# Altium PCB RUMBA32.PcbDoc (part 2 of 3)
Units mm, origin at the board's own origin, x right, y up, seen from the top; angles counter-clockwise.
Board outline 135 x 75 mm, 4 copper layers (Component Side, Ground Plane, Power Plane, Solder Side), stack 0.844 mm thick; 268 components, 214 nets, 1103 pads, 236 vias.
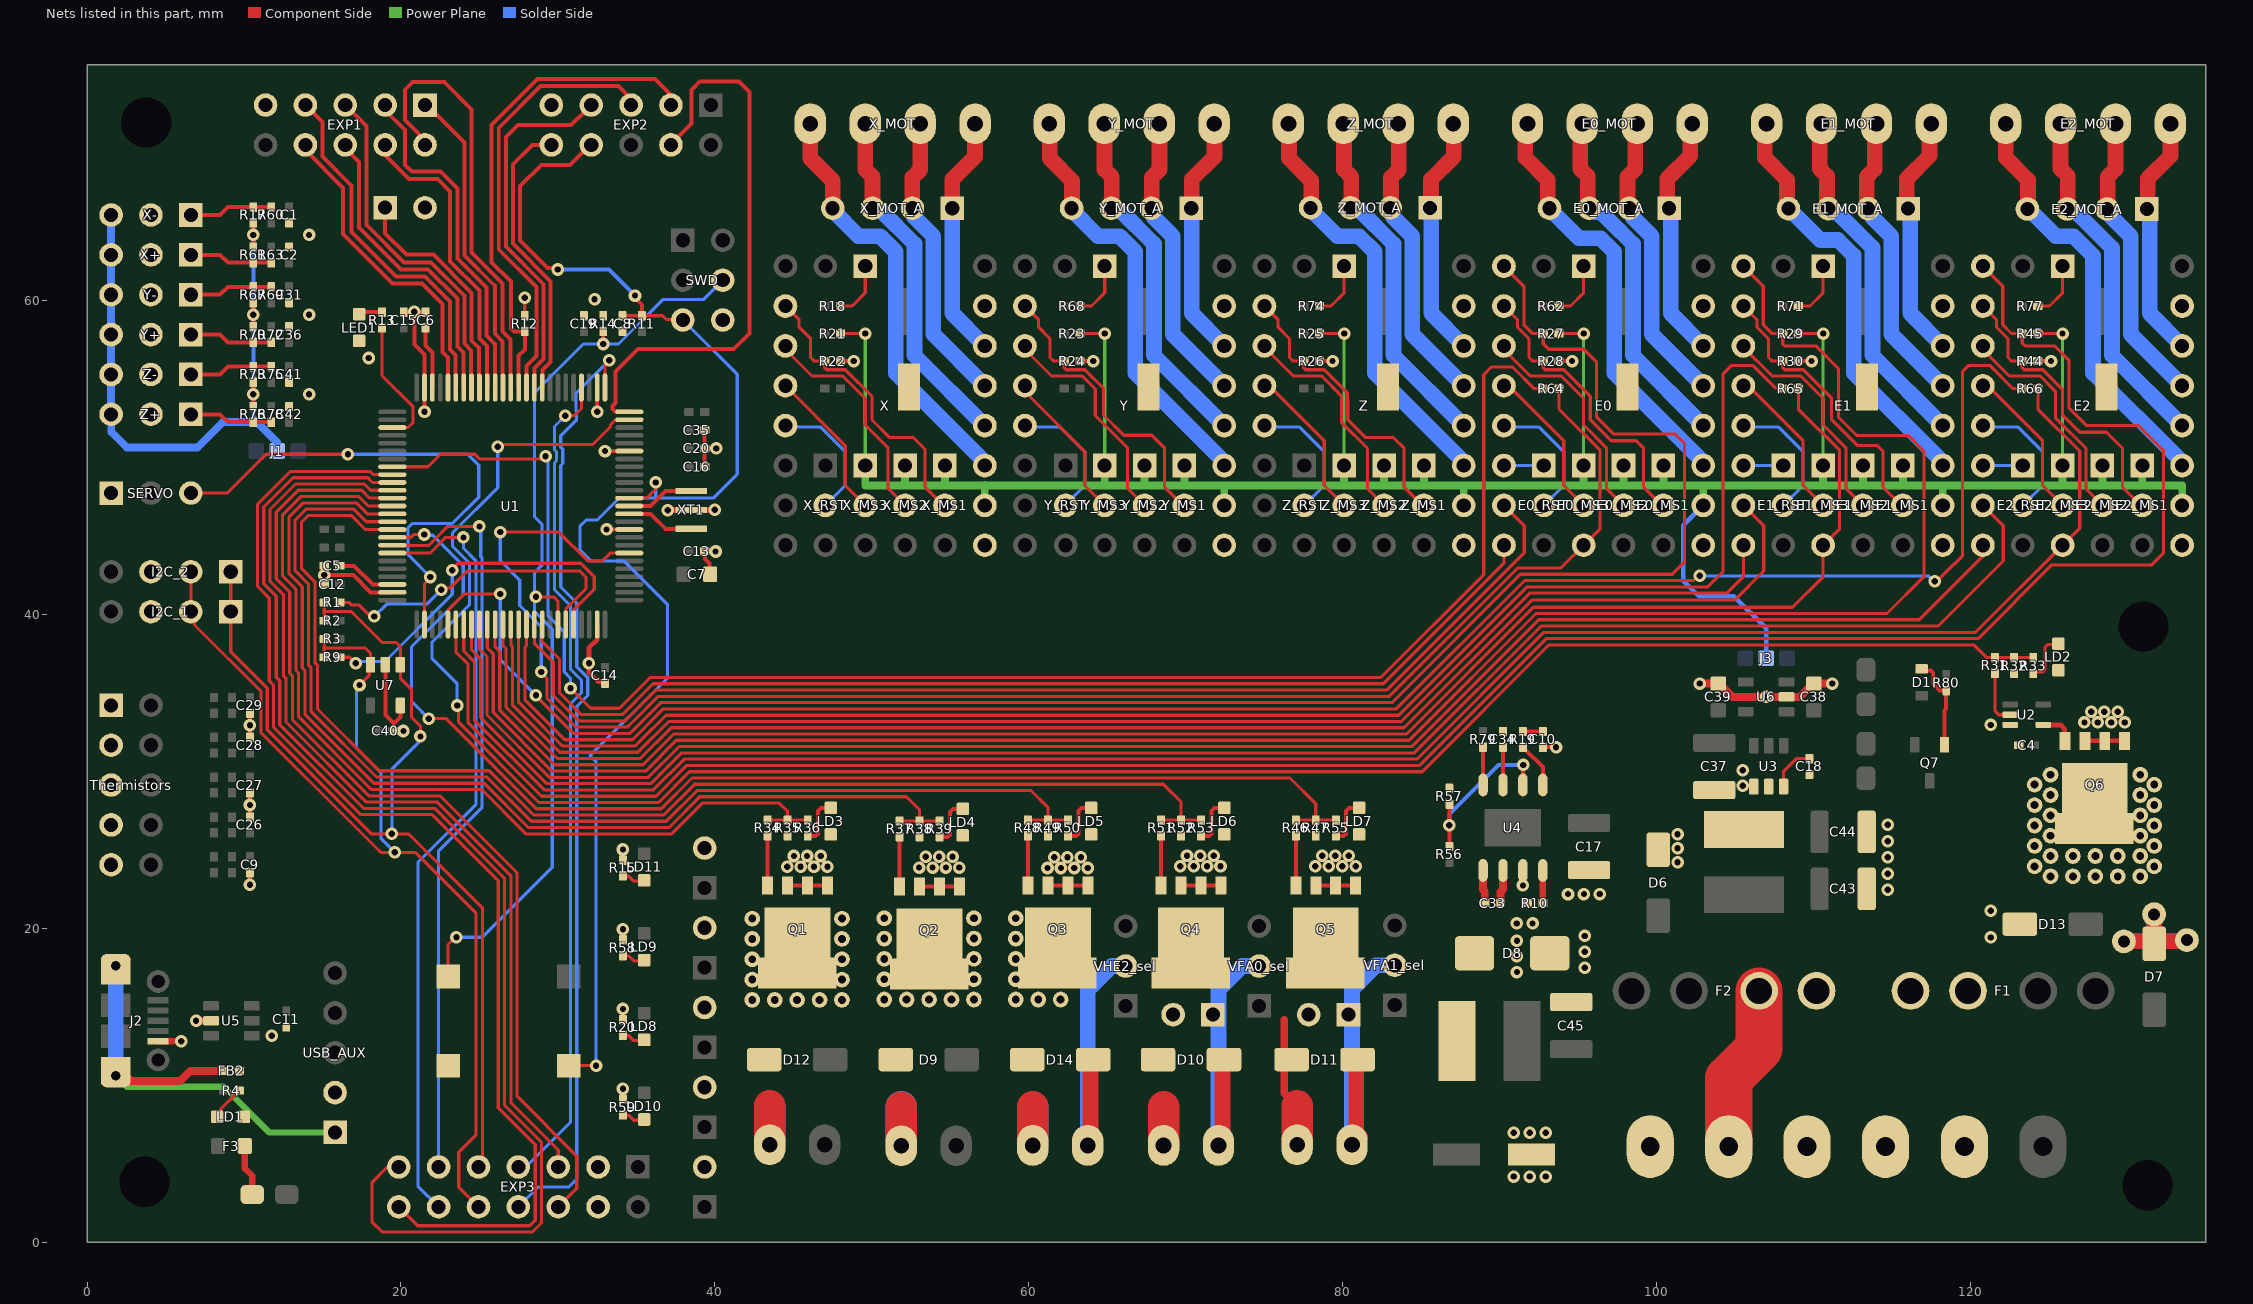
[diagram p4: the nets of this part, all layers, seen from the top]

## Via types
v1: diameter 0.8, hole 0.4, Component Side to Solder Side, tented both sides, 234 vias
v2: diameter 1.4, hole 0.75, Component Side to Solder Side, 2 vias

## Nets (pads, with @x,y where several pads share a name; then routed paths per layer and width w, separated by ;. In a path a pad name is that pad's centre, name@x,y a point inside that pad or via, vN(x,y) a via of type N, cw(c..) or ccw(c..) an arc to the next point about the centre after c; other vN are vias at no path point) (continued)
+DRV: E0.10 E0_MS1.1 E0_MS2.1 E0_MS3.1 E1.10 E1_MS1.1 E1_MS2.1 E1_MS3.1 E2.10 E2_MS1.1 E2_MS2.1 E2_MS3.1 J3.2 R21.1 R23.1 R25.1 R27.1 R29.1 R45.1 X.10 X_MS1.1 X_MS2.1 X_MS3.1 Y.10 Y_MS1.1 Y_MS2.1 Y_MS3.1 Z.10 Z_MS1.1 Z_MS2.1 Z_MS3.1 | length 192.1
  Component Side w0.2: R21.1@48.006,57.883 v1(49.579,57.883) ; R23.1@63.264,57.883 v1(64.838,57.883) ; R25.1@78.522,57.883 v1(80.096,57.883) ; R27.1@93.781,57.883 v1(95.354,57.883) ; R29.1@109.039,57.883 v1(110.613,57.883) ; R45.1@124.297,57.883 v1(125.871,57.883)
  Component Side w0.254: X_MS1.1@54.212,50.084 X_MS1.1@54.699,49.596 ; Y_MS1.1@69.47,50.084 Y_MS1.1@69.957,49.596 ; Z_MS1.1@84.728,50.084 Z_MS1.1@85.216,49.596 ; E0_MS1.1@99.987,50.084 E0_MS1.1@100.474,49.596 ; E1_MS1.1@115.245,50.084 E1_MS1.1@115.732,49.596 ; E2_MS1.1@130.503,50.084 E2_MS1.1@130.991,49.596
  Power Plane w0.2: X_MS3.1@49.579,49.476 v1(49.579,57.883) ; Y_MS3.1@64.837,49.476 v1(64.838,57.883) ; Z_MS3.1@80.096,49.476 v1(80.096,57.883) ; E0_MS3.1@95.354,49.476 v1(95.354,57.883) ; E1_MS3.1@110.612,49.476 v1(110.613,57.883) ; E2_MS3.1@125.871,49.476 v1(125.871,57.883)
  Power Plane w0.5: 49.579,48.206 57.199,48.206 ; 49.579,48.211 X_MS3.1@49.579,49.476 ; 52.119,48.211 X_MS2.1@52.119,49.476 ; 54.659,48.211 X_MS1.1@54.659,49.476 ; X.10@57.199,46.963 57.199,48.206 ; 57.199,48.228 57.199,48.206 ; 64.837,48.211 Y_MS3.1@64.837,49.476 ; 67.377,48.211 Y_MS2.1@67.377,49.476 ; 69.917,48.211 Y_MS1.1@69.917,49.476 ; Y.10@72.457,46.936 72.457,48.201 ; 80.096,48.211 Z_MS3.1@80.096,49.476 ; 82.636,48.211 Z_MS2.1@82.636,49.476 ; 85.176,48.211 Z_MS1.1@85.176,49.476 ; Z.10@87.716,46.936 87.716,48.201 ; 95.354,48.211 E0_MS3.1@95.354,49.476 ; 97.894,48.211 E0_MS2.1@97.894,49.476 ; 100.434,48.211 E0_MS1.1@100.434,49.476 ; E0.10@102.974,46.936 102.974,48.201 ; 110.612,48.211 E1_MS3.1@110.612,49.476 ; 113.152,48.211 E1_MS2.1@113.152,49.476 ; 115.692,48.211 E1_MS1.1@115.692,49.476 ; E1.10@118.232,46.936 118.232,48.201 ; 125.871,48.211 E2_MS3.1@125.871,49.476 ; 128.411,48.211 E2_MS2.1@128.411,49.476 ; 130.951,48.211 E2_MS1.1@130.951,49.476 ; E2.10@133.491,46.936 133.491,48.201 133.496,48.206 57.199,48.206
  Solder Side w0.3: E0.10@102.974,46.936 101.704,45.666 101.704,42.146 102.704,41.146 104.932,41.146 106.983,39.095 J3.2@106.983,37.196
  Solder Side w0.5: X.10@57.199,46.936 X.10@57.199,46.963
+V_STOP: J1.2 R17.1 R61.1 R67.1 R70.1 R73.1 R76.1 X+.3 X-.3 Y+.3 Y-.3 Z+.3 Z-.3 | length 42.7
  Component Side w0.254: R76.1@10.59,53.238 v1(10.59,54.008) R73.1@10.59,54.778 ; R70.1@10.59,58.318 v1(10.59,59.088) R67.1@10.59,59.858 ; R61.1@10.59,63.398 v1(10.59,64.168) R17.1@10.59,64.938
  Solder Side w0.254: v1(10.59,64.168) v1(10.59,59.088) v1(10.59,54.008) 10.59,52.47 10.822,52.238 10.865,52.195
  Solder Side w0.5: Z+.3@1.532,52.738 Z-.3@1.532,55.278 Y+.3@1.532,57.818 Y-.3@1.532,60.358 X+.3@1.532,62.898 X-.3@1.532,65.438 ; Z+.3@1.544,52.725 1.544,51.617 2.532,50.63 7.044,50.63 8.652,52.238 10.59,52.238 10.822,52.238 ; 10.865,52.195 12.113,50.946
  Solder Side w0.6: Z+.3@1.532,52.738 Z+.3@1.544,52.725
BEEPER: EXP1.1 U1.39 | length 20.1
  Component Side w0.254: EXP1.1@21.531,72.444 21.651,72.444 24.045,70.05 24.045,62.861 25.976,60.93 25.976,57.875 26.476,57.375 26.476,55.232 26.499,55.209 U1.39@26.499,54.446
BOOT0: R14.2 S3.2 SWD.4 U1.94 | length 60.3
  Component Side w0.2: S3.2@23,16.919 23,18.955 23.468,19.423 v1(23.532,19.423) ; v1(28.596,41.109) 29.735,41.109 29.999,40.845 U1.94@29.999,39.346 ; v1@32.884,57.472 R14.2@32.884,58.022
  Solder Side w0.2: v1(23.532,19.423) 25.188,19.423 29.642,23.878 29.642,39.051 28.512,40.181 28.512,42.653 28.975,43.116 28.975,45.752 28.512,46.215 28.512,54.119 31.611,57.218 v1(32.884,57.218) 33.86,57.218 36.689,60.047 39.26,60.047 SWD.4@40.499,61.286
BTN_EN1: EXP2.5 U1.36 | length 28.1
  Component Side w0.254: U1.36@27.999,54.446 27.999,55.83 28.627,56.458 28.627,60.837 26.23,63.234 26.23,70.99 28.883,73.642 33.853,73.642 34.663,72.833 EXP2.5@34.663,72.444
BTN_EN2: EXP2.3 R12.2 U1.37 | length 31.9
  Component Side w0.254: U1.37@27.499,54.446 27.499,56.482 27.889,56.872 R12.2@27.889,58.022 27.198,58.022 26.999,58.221 26.999,61.192 25.776,62.414 25.776,71.178 28.695,74.096 36.199,74.096 37.203,73.093 EXP2.3@37.203,72.444
BTN_ENC: EXP1.2 U1.38 | length 27.9
  Component Side w0.254: EXP1.2@21.531,69.904 21.531,70.215 20.261,71.485 20.261,73.417 20.74,73.896 22.762,73.896 24.499,72.159 24.499,63.049 26.476,61.072 26.476,58.017 26.976,57.517 26.976,55.232 26.999,55.209 U1.38@26.999,54.446
E0-CS/RX: E0_MS3.3 R64.1 U1.7 | length 104.1
  Component Side w0.2: v1(26.322,45.233) 30.064,45.233 31.901,43.396 32.838,43.396 33.338,43.896 U1.7@34.549,43.896 ; v1(28.942,36.324) 28.942,36.267 29.302,35.907 29.302,34.655 31.151,32.806 34.424,32.806 34.786,33.168 34.789,33.168 36.389,34.768 82.98,34.768 91.158,42.946 93.904,42.946 E0_MS3.3@95.354,44.396 96.404,45.446 96.404,50.443 93.781,53.066 R64.1@93.781,54.376
  Solder Side w0.2: v1(26.322,45.233) 26.322,43.422 27.572,42.172 27.572,40.556 28.942,39.185 v1(28.942,36.324)
E0-DIR: E0.8 U1.92 | length 70.7
  Component Side w0.2: U1.92@28.999,39.346 28.994,39.341 28.994,38.256 30.102,37.149 30.102,34.986 30.512,34.576 31.483,33.606 34.093,33.606 36.055,35.568 82.596,35.568 90.274,43.246 E0.8@90.274,44.396
E0-EN: E0.1 R27.2 U1.80 | length 118.4
  Component Side w0.2: U1.80@22.999,39.346 23.018,39.365 23.018,40.273 24.041,41.296 v1(26.322,41.296) ; v1(28.596,34.846) 28.596,34.795 30.986,32.406 34.59,32.406 34.952,32.768 34.955,32.768 36.555,34.368 83.146,34.368 91.324,42.546 101.01,42.546 101.774,43.31 101.774,50.896 101.196,51.474 97.266,51.474 96.18,52.56 96.18,56.066 95.358,56.888 93.126,56.888 92.781,57.233 R27.2@92.781,57.883 92.102,57.883 91.544,58.441 91.544,60.906 E0.1@90.274,62.176
  Solder Side w0.2: v1(26.322,41.296) 26.322,37.12 v1(28.596,34.846)
E0-S\L\P\: E0.6 E0_RST.1 | length 2.5
  Solder Side w0.2: E0.6@90.274,49.476 E0_RST.1@92.814,49.476
E0-STEP: E0.7 U1.91 | length 75.6
  Component Side w0.2: U1.91@28.499,39.346 28.499,38.145 29.702,36.942 29.702,34.821 31.317,33.206 34.259,33.206 34.621,33.568 34.623,33.568 36.223,35.168 82.814,35.168 91.574,43.928 91.574,45.636 E0.7@90.274,46.936
E0-TX: R64.2 U1.58 | length 105.3
  Component Side w0.2: U1.58@19.449,49.396 21.72,49.396 22.52,50.196 24.699,50.196 24.999,49.896 29.045,49.896 v1(29.212,50.063) ; v1(30.802,35.276) 32.073,34.006 33.927,34.006 35.889,35.968 82.43,35.968 88.986,42.524 88.986,55.266 89.474,55.755 90.82,55.755 92.198,54.376 R64.2@92.781,54.376
  Solder Side w0.2: v1(29.212,50.063) 29.375,49.9 29.375,39.884 30.402,38.857 30.402,36.324 30.802,35.924 v1(30.802,35.276)
E1-CS/RX: E1_MS3.3 R65.1 U1.86 | length 109.8
  Component Side w0.2: U1.86@25.999,39.346 25.999,37.918 26.296,37.621 26.296,33.893 29.784,30.406 35.421,30.406 37.383,32.368 84.075,32.368 92.154,40.446 108.662,40.446 110.612,42.396 E1_MS3.3@110.612,44.396 111.662,45.446 111.662,50.443 109.039,53.066 R65.1@109.039,54.376
E1-DIR: E1.8 U1.88 | length 91.5
  Component Side w0.2: U1.88@26.999,39.346 26.999,38.049 27.096,37.952 27.096,34.224 27.975,33.346 30.115,31.206 35.09,31.206 37.052,33.168 83.744,33.168 91.922,41.346 104.482,41.346 105.532,42.396 E1.8@105.532,44.396
E1-EN: E1.1 R29.2 U1.85 | length 131.6
  Component Side w0.2: U1.85@25.499,39.346 25.499,37.852 25.88,37.472 25.88,33.744 29.618,30.006 35.587,30.006 37.549,31.968 84.241,31.968 92.319,40.046 114.682,40.046 117.024,42.388 117.024,42.4 117.032,42.408 117.032,50.396 116.032,51.396 112.74,51.396 111.592,52.544 111.592,55.65 110.146,57.096 108.156,57.096 108.039,57.213 R29.2@108.039,57.883 107.361,57.883 106.802,58.441 106.802,60.906 E1.1@105.532,62.176
E1-S\L\P\: E1.6 E1_RST.1 | length 2.5
  Solder Side w0.2: E1.6@105.532,49.476 E1_RST.1@108.072,49.476
E1-STEP: E1.7 U1.87 | length 96.5
  Component Side w0.2: U1.87@26.499,39.346 26.499,37.984 26.696,37.786 26.696,34.059 29.949,30.806 35.255,30.806 37.217,32.768 83.91,32.768 92.038,40.896 104.972,40.896 106.832,42.756 106.832,45.636 E1.7@105.532,46.936
E1-TX: R65.2 U1.89 | length 104.7
  Component Side w0.2: U1.89@27.499,39.346 27.499,38.05 27.496,38.047 27.496,34.39 28.141,33.746 30.281,31.606 34.921,31.606 35.283,31.968 35.286,31.968 36.886,33.568 83.578,33.568 91.757,41.746 103.264,41.746 104.244,42.726 104.244,55.316 104.782,55.855 106.124,55.855 107.556,54.423 107.992,54.423 R65.2@108.039,54.376
E2-CS/RX: E2_MS3.3 R66.1 U1.82 | length 127.4
  Component Side w0.2: U1.82@23.999,39.346 23.999,37.655 24.68,36.974 24.68,33.247 29.121,28.806 36.084,28.806 38.046,30.768 84.738,30.768 92.816,38.846 120.321,38.846 E2_MS3.3@125.871,44.396 126.961,45.486 126.961,50.402 124.297,53.066 R66.1@124.297,54.376
E2-DIR: E2.8 U1.84 | length 109.5
  Component Side w0.2: U1.84@24.999,39.346 24.999,37.787 25.48,37.306 25.48,33.578 29.452,29.606 35.752,29.606 37.714,31.568 84.407,31.568 92.485,39.646 116.748,39.646 120.791,43.689 E2.8@120.791,44.396
E2-EN: E2.1 R45.2 U1.81 | length 149.4
  Component Side w0.2: U1.81@23.499,39.346 23.499,37.59 24.28,36.809 24.28,33.081 28.955,28.406 36.249,28.406 38.211,30.368 84.904,30.368 92.982,38.446 120.486,38.446 125.184,43.144 131.547,43.144 132.291,43.888 132.291,50.436 130.711,52.016 127.4,52.016 126.271,53.146 126.271,56.183 125.358,57.096 123.472,57.096 123.297,57.271 R45.2@123.297,57.883 122.619,57.883 122.061,58.441 122.061,60.906 E2.1@120.791,62.176
E2-S\L\P\: E2.6 E2_RST.1 | length 2.5
  Solder Side w0.2: E2.6@120.791,49.476 E2_RST.1@123.331,49.476
E2-STEP: E2.7 U1.83 | length 114.9
  Component Side w0.2: U1.83@24.499,39.346 24.499,37.721 25.08,37.14 25.08,33.412 29.286,29.206 35.918,29.206 37.88,31.168 84.572,31.168 92.651,39.246 117.946,39.246 122.091,43.391 122.091,45.636 E2.7@120.791,46.936
E2-TX: R66.2 U1.90 | length 118.9
  Component Side w0.2: U1.90@27.999,39.346 27.999,37.984 27.896,37.882 27.896,34.556 28.307,34.146 30.446,32.006 34.756,32.006 35.118,32.368 35.12,32.368 36.72,33.968 83.413,33.968 91.591,42.146 102.356,42.146 102.656,42.446 v1(102.756,42.446) ; v1(117.724,42.11) 117.868,42.11 118.362,42.605 118.373,42.605 119.503,43.735 119.503,55.475 119.884,55.856 121.235,55.856 122.715,54.376 R66.2@123.297,54.376
  Solder Side w0.2: v1(102.756,42.446) 117.307,42.446 117.643,42.11 v1(117.724,42.11)
FAN_0: R46.1 R47.1 R55.2 U1.67 | length 81
  Component Side w0.2: U1.67@19.449,44.896 20.621,44.896 20.804,45.08 v1(21.476,45.08) ; v1(21.774,33.346) 22.884,33.346 28.624,27.606 36.581,27.606 38.543,29.568 76.645,29.568 78.287,27.926 R47.1@78.287,26.881 ; R46.1@77.017,26.881 R47.1@78.287,26.881 ; R55.2@79.567,26.881 R47.1@78.287,26.881
  Solder Side w0.2: v1(21.476,45.08) 21.522,45.034 22.021,45.034 23.969,43.086 23.969,41.224 20.66,37.915 20.66,34.457 20.777,34.34 20.779,34.34 v1(21.774,33.346)
FAN_1: R51.1 R52.1 R53.2 U1.66 | length 81.5
  Component Side w0.2: 14.512,39.244 14.512,36.913 14.678,36.748 14.678,33.958 18.606,30.03 25.634,30.03 28.458,27.206 36.746,27.206 38.708,29.168 68.58,29.168 69.702,28.046 R52.1@69.702,26.881 ; 14.512,39.244 14.512,41.099 ; 14.512,41.099 14.512,42.077 13.657,42.933 13.657,45.841 14.112,46.296 16.828,46.296 17.728,45.396 U1.66@19.449,45.396 ; R51.1@68.432,26.881 R52.1@69.702,26.881 ; R53.2@70.982,26.881 R52.1@69.702,26.881
GND: 3V3.2 5V.2 5VDC.2 12V.2 C1.1 C2.1 C4.1 C5.1 C6.1 C7.1 C8.1 C9.1 C10.2 C11.1 C12.1 C13.1 C14.1 C15.1 C16.1 C17.1 C19.1 C20.1 C21.2 C22.2 C23.2 C24.2 C25.2 C26.1 C27.1 C28.1 C29.1 C30.2 C31.1 C32.2 C34.1 C35.1 C36.1 C37.1 C38.1 C39.1 C40.1 C41.1 C42.1 C43.1 C44.1 C45.1 D6.A D7.A D8.A E0.9 E0.15 E1.9 E1.15 E2.9 E2.15 EXP1.9 EXP2.9 EXP3.3 EXP3.4 FB2.2 HB-PWR.1 I2C_1.3 I2C_2.3 J2.GND LD1.2 LD2.2 LD3.2 LD4.2 LD5.2 LD6.2 LD7.2 LED1.2 MAIN-PWR.1 pad.5 pad.6 pad.8 PS_ON.2 PWR.2 Q1.3 Q2.3 Q3.3 Q4.3 Q5.3 Q6.3 R10.1 R12.1 R14.1 R15.1 R20.1 R22.2 R24.2 R26.2 R28.2 R30.2 R32.2 R35.2 R38.2 R44.2 R47.2 R49.2 R52.2 R57.1 R58.1 R59.1 S1.2 SERVO.1 SWD.6 Thermistors.1 Thermistors.3 Thermistors.5 Thermistors.7 Thermistors.9 U1.10 U1.20 U1.27 U1.49 U1.74 U1.99 U2.3 U3.4 U4.3 U5.2 U6.2 U7.2 U7.5 USB_AUX.2 X+.2 X-.2 X.9 X.15 XT1.2 Y+.2 Y-.2 Y.9 Y.15 Z+.2 Z-.2 Z.9 Z.15 | length 90.2
  Component Side w0.2: R12.1@27.889,59.022 v1(27.889,60.156) ; R59.1@34.142,9.093 v1@34.142,9.643 ; R20.1@34.142,14.173 v1@34.142,14.723 ; R58.1@34.142,19.253 v1@34.142,19.803 ; R15.1@34.141,24.333 v1@34.141,24.883 ; v1(62.048,23.833) v1(62.903,23.833)
  Component Side w0.254: v1(10.378,22.766) C9.1@10.378,23.536 ; C26.1@10.378,27.076 v1(10.378,27.846) C27.1@10.378,28.616 ; C28.1@10.378,32.156 v1(10.378,32.926) C29.1@10.378,33.696 ; v1(15.112,42.498) 16.961,42.498 18.063,41.396 U1.74@19.449,41.396 ; U7.2@19.009,36.786 19.009,33.581 19.547,33.043 ; C40.1@19.509,32.56 19.547,32.599 19.547,33.043 ; U7.5@19.959,34.186 19.959,33.454 19.547,33.043 ; C15.1@20.182,59.246 v1@20.849,59.246 ; v1(20.849,59.271) v1@20.849,59.246 ; v1(21.499,52.896) U1.49@21.499,54.446 21.499,56.546 20.849,57.196 v1@20.849,59.246 ; C6.1@21.572,59.246 v1@20.849,59.246 ; v1(32.499,52.896) U1.27@32.499,54.446 ; v1(32.999,50.396) U1.20@34.549,50.396 ; v1(33.099,45.406) 34.54,45.406 U1.10@34.549,45.396 ; v1(36.999,46.631) v1@37.014,46.646 ; C13.1@39.324,43.998 v1(40.043,43.998) ; C13.1@39.349,44.023 39.374,43.998 39.374,43.523 39.656,43.241 39.656,42.584 C7.1@39.699,42.541 ; C16.1@39.349,49.396 C20.1@39.349,50.563 ; C35.1@39.349,51.73 C20.1@39.349,50.563 ; v1@40.342,50.563 C20.1@39.349,50.563 ; Q1.3@44.634,22.727 Q1.3@45.904,22.727 Q1.3@47.174,22.727 ; R22.2@48.031,56.13 v1(48.843,56.13) ; Q2.3@53.039,22.664 Q2.3@54.309,22.664 Q2.3@55.579,22.664 ; Q3.3@61.219,22.727 Q3.3@62.489,22.727 Q3.3@63.759,22.727 ; R24.2@63.289,56.13 v1(64.101,56.13) ; Q4.3@69.702,22.727 Q4.3@70.972,22.727 Q4.3@72.242,22.727 ; Q5.3@78.287,22.727 Q5.3@79.557,22.727 Q5.3@80.827,22.727 ; R26.2@78.547,56.13 v1(79.359,56.13) ; C10.2@92.755,31.526 v1(93.6,31.526) ; R28.2@93.806,56.13 v1(94.618,56.13) ; R30.2@109.064,56.13 v1(109.876,56.13) ; R44.2@124.322,56.13 v1(125.134,56.13)
  Component Side w0.3: U1.99@32.499,39.346 32.499,38.389 31.974,37.864 v1(31.974,36.874) 31.987,36.861 31.987,36.284 32.553,35.717 32.899,35.717 32.908,35.709 C14.1@32.908,35.698 ; Q6.3@127.287,31.935 Q6.3@128.557,31.935 Q6.3@129.827,31.935
  Component Side w0.4: J2.GND@4.525,12.8 v1(6,12.8) ; v1@37.014,46.646 XT1.2@38.499,46.646 v1@39.984,46.646
  Component Side w0.5: v1@7.073,14.1 U5.2@8.025,14.1 ; v1(102.755,35.581) C39.1@103.935,35.582 ; C39.1@103.985,35.582 104.835,34.732 U6.2@108.281,34.732 109.117,34.732 109.967,35.582 C38.1@110.017,35.582 v1@111.197,35.582
  Component Side w1: C21.2@52.374,54.475 C21.2@52.572,54.673 ; X.15@57.102,59.539 X.15@57.199,59.636 ; C22.2@67.632,54.475 C22.2@67.83,54.673 ; Y.15@72.36,59.539 Y.15@72.457,59.636 ; C23.2@82.89,54.475 C23.2@83.089,54.673 ; Z.15@87.618,59.539 Z.15@87.716,59.636 ; C24.2@98.149,54.475 C24.2@98.347,54.673 ; E0.15@102.877,59.539 E0.15@102.974,59.636 ; C25.2@113.407,54.475 C25.2@113.605,54.673 ; E1.15@118.135,59.539 E1.15@118.232,59.636 ; C30.2@128.665,54.475 C30.2@128.864,54.673 ; pad.6@129.776,19.159 D7.A@131.707,19.159 ; D7.A@131.707,18.766 D7.A@131.707,19.159 ; pad.8@131.707,20.283 D7.A@131.707,19.159 ; E2.15@133.393,59.539 E2.15@133.491,59.636 ; pad.5@133.713,19.159 D7.A@131.707,19.159
  Solder Side w1: pad.6@129.776,19.159 131.707,19.159 ; pad.8@131.707,20.683 131.707,19.159 ; pad.5@133.713,19.159 131.707,19.159
  other v1: 90.9,4.17 91.916,4.17 92.932,4.17 90.9,6.97 91.916,6.97 92.932,6.97 34.142,9.77 11.764,13.15 6.946,14.1 34.142,14.85 91.103,17.2 95.426,17.472 91.103,18.2 95.426,18.488 91.103,19.2 95.426,19.504 34.142,19.93 91.1,20.3 92.1,20.3 94.356,22.171 95.372,22.171 96.388,22.171 114.73,22.437 91.485,22.72 114.73,23.472 61.192,23.833 63.758,23.833 53.014,23.858 53.869,23.858 54.724,23.858 55.579,23.858 44.606,23.909 45.461,23.909 46.316,23.909 47.172,23.909 69.651,23.934 70.506,23.934 71.361,23.934 72.216,23.934 78.261,23.934 79.116,23.934 79.971,23.934 80.827,23.934 101.341,24.203 61.624,24.519 62.462,24.519 63.326,24.519 114.73,24.508 53.445,24.544 54.284,24.544 55.147,24.544 45.038,24.595 45.876,24.595 46.74,24.595 70.082,24.62 70.921,24.62 71.784,24.62 78.693,24.62 79.531,24.62 80.395,24.62 34.141,25.01 101.341,25.092 114.73,25.544 101.341,25.981 114.73,26.579 105.493,29.075 105.493,30.065 20.159,32.561 121.3,32.946 127.262,33.104 128.117,33.104 128.972,33.104 129.827,33.104 127.693,33.79 128.532,33.79 129.387,33.79 106.983,34.731 111.197,35.582 39.999,46.661 40.092,50.563 14.146,54.008 17.946,56.328 14.146,59.088 32.335,60.066 14.146,64.168
HB: R31.1 R32.1 R33.2 U1.24 | length 136.5
  Component Side w0.2: v1(23.58,34.186) 23.672,34.094 23.672,33.123 28.789,28.006 36.415,28.006 38.377,29.968 85.069,29.968 93.148,38.046 120.219,38.046 121.028,37.238 R31.1@121.555,37.238 123.992,37.238 R33.2@124.005,37.225 ; 26.579,50.818 32.214,50.818 33.349,51.953 33.349,52.083 33.613,52.346 33.722,52.346 33.772,52.396 U1.24@34.549,52.396
  Solder Side w0.2: v1(23.58,34.186) 23.58,35.578 21.97,37.189 21.97,38.196 24.369,40.596 24.369,43.251 23.282,44.338 23.282,45.186 26.162,48.066 v1(26.162,50.673)
HE_0: R34.1 R35.1 R36.2 U1.63 | length 59.4
  Component Side w0.2: U1.63@19.449,46.896 17.925,46.896 17.325,47.496 13.615,47.496 12.457,46.338 12.457,42.436 13.312,41.581 13.312,36.416 13.478,36.251 13.478,33.461 18.109,28.83 25.137,28.83 27.961,26.006 37.243,26.006 39.205,27.968 44.097,27.968 44.634,27.431 R35.1@44.634,26.881 ; R34.1@43.364,26.881 R35.1@44.634,26.881 ; R36.2@45.914,26.881 R35.1@44.634,26.881
HE_1: R37.1 R38.1 R39.2 U1.64 | length 66.8
  Component Side w0.2: 13.712,41.43 13.712,36.673 13.712,36.582 13.878,36.417 13.878,33.627 18.274,29.23 25.302,29.23 28.127,26.406 37.078,26.406 39.04,28.368 52.212,28.368 53.039,27.541 R38.1@53.039,26.818 ; 13.712,41.431 13.712,41.746 12.857,42.601 12.857,46.173 13.781,47.096 17.159,47.096 17.859,46.396 U1.64@19.449,46.396 ; R37.1@51.769,26.818 R38.1@53.039,26.818 ; R39.2@54.319,26.818 R38.1@53.039,26.818
HE_2: R48.1 R49.1 R50.2 U1.65 | length 73.9
  Component Side w0.2: U1.65@19.449,45.896 17.794,45.896 16.994,46.696 13.947,46.696 13.257,46.007 13.257,42.767 14.112,41.912 14.112,41.265 14.112,39.078 14.112,36.747 14.278,36.582 14.278,33.792 18.44,29.63 25.468,29.63 28.292,26.806 36.912,26.806 38.874,28.768 60.146,28.768 61.219,27.695 R49.1@61.219,26.881 ; R48.1@59.949,26.881 R49.1@61.219,26.881 ; R50.2@62.499,26.881 R49.1@61.219,26.881
KILL: EXP2.10 U1.34 | length 18.4
  Component Side w0.254: U1.34@28.999,54.446 29.008,54.455 29.008,55.555 29.535,56.082 29.535,61.213 27.138,63.61 27.138,68.671 28.371,69.904 EXP2.10@29.583,69.904
LCD_D4: EXP1.5 U1.43 | length 22.3
  Component Side w0.254: EXP1.5@16.451,72.444 17.791,71.104 17.791,64.816 20.186,62.42 21.918,62.42 24.045,60.293 24.045,57.238 24.476,56.807 24.476,55.232 24.499,55.209 U1.43@24.499,54.446
LCD_D5: EXP1.6 U1.44 | length 19.6
  Component Side w0.254: EXP1.6@16.451,69.904 16.451,69.694 17.337,68.808 17.337,64.628 19.998,61.966 21.73,61.966 23.591,60.105 23.591,57.05 23.976,56.665 23.976,55.232 23.999,55.209 U1.44@23.999,54.446
LCD_D6: EXP1.7 U1.45 | length 23.1
  Component Side w0.254: EXP1.7@13.911,72.444 14.988,71.367 14.988,69.151 16.836,67.302 16.836,64.353 19.677,61.512 21.542,61.512 23.137,59.917 23.137,56.862 23.476,56.523 23.476,55.232 23.499,55.209 U1.45@23.499,54.446
LCD_D7: EXP1.8 U1.46 | length 20.3
  Component Side w0.254: EXP1.8@13.911,69.904 13.911,69.567 16.314,67.163 16.314,64.215 19.471,61.058 21.354,61.058 22.638,59.775 22.638,56.719 22.999,56.358 U1.46@22.999,54.446
LCD_ENA: EXP1.3 U1.40 | length 22
  Component Side w0.254: EXP1.3@18.991,72.444 18.991,72.113 20.261,70.843 20.261,68.635 20.697,68.198 22.531,68.198 23.591,67.137 23.591,62.673 25.458,60.806 25.458,57.751 25.976,57.233 25.976,55.232 25.999,55.209 U1.40@25.999,54.446
LCD_RS: EXP1.4 U1.41 | length 19.2
  Component Side w0.254: EXP1.4@18.991,69.904 18.991,69.263 20.509,67.744 22.343,67.744 23.137,66.949 23.137,62.485 24.999,60.623 24.999,57.568 25.476,57.091 25.476,55.232 25.499,55.209 U1.41@25.499,54.446
LED: R13.2 U1.53 | length 8.3
  Component Side w0.2: R13.2@18.791,58.246 18.791,55.204 20.772,53.223 20.772,52.219 20.449,51.896 U1.53@19.449,51.896
NetC5_2: C5.2 U1.73 | length 3.8
  Component Side w0.254: C5.2@16.112,43.085 17.016,43.085 18.205,41.896 U1.73@19.449,41.896
NetC6_2: C6.2 U1.48 | length 4
  Component Side w0.254: C6.2@21.572,58.246 21.572,57.115 21.999,56.688 U1.48@21.999,54.446
NetC10_1: C10.1 R19.1 | length 1.3
  Component Side w0.254: R19.1@91.485,32.526 C10.1@92.755,32.526
NetC18_1: C18.1 L1.1 U3.5
NetC18_2: C18.2 U3.6 | length 3
  Component Side w0.2: U3.6@108.094,29.019 108.094,29.998 108.895,30.799 C18.2@109.742,30.799
NetC33_1: C33.1 U4.2 | length 2.1
  Component Side w0.5: C33.1@90.057,21.596 90.057,22.298 90.215,22.456 U4.2@90.215,23.675